# Allegro board SG2042_EVB_V1_1.brd (continued)
## Routing (per net, layer and track width the routed paths; a pad name or vN(x,y) marks a point on that pad's centre or on a via; arc(x,y) is an arc through that point) (continued)
  TOP w0.381: U1.AK48 v1(157.97,104.15) ; U1.T43 v1(152.97,119.15) ; U1.AG13 v1(121.97,108.15) ; U1.AH45 v1(154.97,107.15) ; v1(245.24,113.9) J2019.B80 v1(242.53,113.9) ; U1.BE13 v1(121.97,89.15) ; U1.L42 v1(151.97,124.15) ; v1(285.88,46.9) J2018.B13 v1(283.17,46.9) ; U1.AG8 v1(116.97,108.15) U1.AF8 ; U1.V10 v1(118.97,117.15) ; C3264.2 v1(169.75,14.68) ; U1.G50 v1(159.97,128.15) U1.G51 ; U1.BA42 v1(151.97,93.15) ; U1.BN8 v1(116.97,81.15) ; C3310.2 v1(290.22,43.26) ; U1.AL42 U1.AM43 v1(152.97,102.15) ; U1.K43 v1(152.97,125.15) ; v1(235.33,80.33) 235.76,79.9 J2019.A46 237.84,79.9 v1(238.04,80.1) ; v1(278.68,88.9) J2018.A55 v1(275.97,88.9) ; C558.2 C548.2 26.87,198.09 v1(26.72,197.94) ; v1(238.04,62.1) 237.84,61.9 J2019.A28 235.76,61.9 v1(235.33,62.33) ; U1.L15 v1(123.97,124.15) ; U1.D12 v1(121.97,131.15) U1.C12 ; U1.G19 v1(127.97,128.15) ; U1.P3 v1(112.97,120.15) ; v1(109.97,90.15) U1.BD1 v1(110.97,91.15) ; C3308.1 v1(29.77,112.42) ; U1.BR4 v1(112.97,79.15) ; C1191.2 v1(74.9,217.25) ; v1(164.97,91.15) U1.BD56 v1(165.97,90.15) ; U1.B1 v1(110.04,132.65) ; v1(112.97,127.15) U1.H3 v1(111.97,127.15) U1.G2 ; U1.BB43 v1(152.97,92.15) ; U1.BM4 v1(112.97,82.15) ; v1(283.17,90.9) J2018.B57 v1(285.88,90.9) ; U1.J9 v1(117.97,126.15) ; U1.V12 v1(120.97,117.15) ; U1.BT7 v1(115.97,78.15) ; v1(278.68,67.9) J2018.A34 276.4,67.9 v1(275.97,68.33) ; v1(157.97,128.15) U1.G48 v1(156.97,128.15) ; v1(28.83,68.47) 28.4,68.9 J1104.A46 26.32,68.9 v1(26.12,68.7) ; U1.G15 v1(123.97,128.15) U1.G14 ; U1.Y47 v1(156.97,115.15) ; U1.AC46 v1(155.97,112.15) ; v1(26.12,59.7) 26.32,59.9 J1104.A55 28.4,59.9 v1(28.83,59.47) ; U1.BT2 v1(110.97,78.15) ; v1(18.92,65.9) J1104.B49 v1(21.63,65.9) ; C557.2 v1(22.61,201.78) ; v1(245.24,74.1) 245.04,73.9 J2019.B40 242.73,73.9 v1(242.53,74.1) ; U1.AU11 v1(119.97,97.15) ; v1(21.63,45.7) 21.43,45.9 J1104.B69 19.12,45.9 v1(18.92,45.7) ; C68.2 v1(72.97,117.63) ; K2.1 v1(10.61,227.04) ; U1.L11 v1(119.97,124.15) ; U1.A15 v1(124.47,134.07) ; U1.M53 v1(161.97,122.15) ; v1(18.92,74.7) 19.12,74.9 J1104.B40 21.43,74.9 v1(21.63,74.7) ; v1(275.97,115.9) J2018.A82 v1(278.68,115.9) ; U1.AC49 v1(158.97,111.15) ; C33.2 v1(202.97,88.06) ; C3274.1 v1(225.91,144.65) ; U45.1 v1(123,39.21) ; U1.BC15 v1(123.97,91.15) ; U1.AN7 v1(115.97,101.15) ; U1.AN13 v1(121.97,101.15) ; C1744.2 v1(16.08,108.89) ; C21.2 v1(201.75,43.89) ; U1.BF45 v1(154.97,88.15) ; U1.A56 v1(165.9,133.65) ; U1.AN5 v1(113.97,101.15) ; U1.AR51 v1(160.97,99.15) ; U1.Y43 v1(152.97,115.15) ; U1.AF1 v1(109.97,108.15) ; U1.C36 v1(144.97,132.15) ; U1.AC54 v1(162.97,111.15) U1.AC53 ; v1(235.33,87.9) J2019.A54 v1(238.04,87.9) ; v1(18.92,41.7) 19.12,41.9 J1104.B73 21.43,41.9 v1(21.63,41.7) ; K1.3 v1(10.61,199.45) ; U1.H12 v1(121.97,127.15) ; U1.AV49 v1(158.97,96.15) ; v1(146.56,44.83) U26.2 ; U1.N42 v1(151.97,122.15) ; C30.2 v1(202.97,108) ; v1(285.88,105.9) J2018.B72 v1(283.17,105.9) ; U1.BK11 v1(119.97,84.15) ; C7.2 v1(211.15,118.57) ; v1(63.35,166.87) 63.35,167.36 C59.2 62.48,167.36 v1(62.48,166.87) ; U1.AP50 v1(159.97,100.15) ; v1(235.33,100.9) J2019.A67 v1(238.04,100.9) ; U1.Y48 v1(157.97,115.15) ; U1.BJ46 v1(155.97,85.15) ; C3294.2 v1(275.64,42.8) ; U1.AJ8 v1(116.97,105.15) ; U1.V3 v1(112.97,116.15) U1.V4 ; v1(283.17,93.9) J2018.B60 v1(285.88,93.9) ; v1(152.97,104.15) U1.AK43 U1.AJ42 ; v1(245.24,38.9) J2019.B7 v1(242.53,38.9) ; v1(285.88,62.9) J2018.B29 v1(283.17,62.9) ; v1(26.12,112.9) J1104.A4 v1(28.83,112.9) ; R2488.2 v1(236.14,191.24) ; U1.BK48 v1(157.97,84.15) ; U1.R52 v1(161.97,120.15) ; U1.U55 v1(163.97,118.15) U1.T54 v1(162.97,118.15) ; U1.BE54 v1(163.97,89.15) ; C29.2 v1(202.97,110.64) ; U1.BC42 v1(151.97,91.15) ; U1.BF49 v1(158.97,88.15) ; v1(21.63,109.9) J1104.B7 v1(18.92,109.9) ; v1(26.12,86.7) 26.32,86.9 J1104.A28 28.4,86.9 v1(28.83,86.47) ; v1(21.63,61.7) 21.43,61.9 J1104.B53 19.12,61.9 v1(18.92,61.7) ; U1.M50 v1(159.97,123.15) ; v1(21.63,92.7) 21.43,92.9 J1104.B22 19.12,92.9 v1(18.92,92.7) ; U1.AR11 v1(119.97,99.15) ; v1(235.33,108.9) J2019.A75 v1(238.04,108.9) ; U1.Y51 v1(159.97,114.15) ; v1(155.97,127.15) U1.H47 v1(156.97,127.15) ; v1(235.33,74.47) 235.76,74.9 J2019.A41 237.84,74.9 v1(238.04,74.7) ; U1.A14 v1(123.47,134.07) ; U1.W44 v1(153.97,116.15) ; U1.AW53 v1(162.97,95.15) ; U1.AT10 v1(118.97,98.15) ; U1.AU44 v1(153.97,97.15) ; v1(238.04,35.9) J2019.A4 v1(235.33,35.9) ; U1.BH7 v1(115.97,86.15) ; v1(242.53,80.9) J2019.B47 v1(245.24,80.9) ; v1(238.04,96.9) J2019.A63 v1(235.33,96.9) ; U1.C15 v1(123.97,132.15) U1.B15 ; v1(18.92,76.1) 19.12,75.9 J1104.B39 21.43,75.9 v1(21.63,76.1) ; v1(26.12,49.1) 26.32,48.9 J1104.A66 28.4,48.9 v1(28.83,49.33) ; C1442.1 v1(222.07,48.46) ; U1.AJ49 v1(158.97,105.15) ; v1(26.12,92.1) 26.32,91.9 J1104.A23 28.4,91.9 v1(28.83,92.33) ; U1.F10 v1(119.97,129.15) ; U1.BB54 v1(163.97,93.15) U1.BA54 ; U1.BL9 v1(117.97,83.15) ; U1.BG1 v1(109.97,87.15) ; U1.AY45 v1(154.97,94.15) ; U1.J48 v1(157.97,126.15) ; v1(14.3,108.28) C3303.2 C3302.2 v1(14.3,110.36) ; C9.2 v1(211.15,110.64) ; 23.42,198.93 R58.1 C560.2 v1(24.03,197.74) ; 23.42,198.93 C561.2 v1(24.28,198.32) ; 23.42,198.93 C559.2 ; U1.G12 v1(121.97,128.15) ; U1.AD50 v1(159.97,110.15) ; U1.BE51 v1(160.97,89.15) ; U1.AJ3 v1(111.97,105.15) ; U1.BC11 v1(119.97,91.15) ; U1.Y9 v1(117.97,115.15) ; 131.99,46.08 v1(131.6,46.08) ; 131.99,46.08 U4.1 131.99,47.62 ; 131.99,46.08 C3327.1 ; U1.AG9 v1(117.97,108.15) ; U1.J28 v1(136.97,126.15) ; v1(283.17,68.7) 283.37,68.9 J2018.B35 285.68,68.9 v1(285.88,68.7) ; U1.AE51 v1(160.97,109.15) ; R2179.2 v1(260.96,153.26) ; U1.G16 v1(124.97,128.15) U1.F15 ; U1.P10 v1(118.97,121.15) ; U1.BN3 v1(111.97,81.15) ; U1.G37 v1(146.97,128.15) ; v1(26.12,43.7) 26.32,43.9 J1104.A71 28.4,43.9 v1(28.83,43.47) ; U1.H5 v1(114.97,127.15) ; U1.AA50 v1(159.97,113.15) ; U1.AD7 v1(115.97,110.15) ; C31.2 v1(202.97,95.07) ; U1.AH3 v1(111.97,106.15) ; v1(275.97,76.33) 276.4,75.9 J2018.A42 278.48,75.9 v1(278.68,76.1) ; U1.K14 v1(122.97,125.15) ; U1.AC3 v1(112.97,111.15) U1.AC4 ; C536.1 v1(47.24,221.11) ; v1(21.63,78.7) 21.43,78.9 J1104.B36 19.12,78.9 v1(18.92,78.7) ; U1.R42 v1(151.97,120.15) ; U1.K10 v1(118.97,125.15) ; v1(211,101.88) C17.2 ; U1.BP46 v1(155.97,80.15) ; U1.E26 v1(134.97,130.15) ; v1(235.33,68.33) 235.76,67.9 J2019.A34 v1(238.04,67.9) ; C1737.2 v1(250.44,43.26) ; v1(238.04,76.1) 237.84,75.9 J2019.A42 235.76,75.9 v1(235.33,76.33) ; R10.2 v1(64.8,86.13) ; U1.C21 v1(129.97,132.15) ; 159.51,31.62 U30.2 159.51,33.25 C3333.1 v1(160.15,33.27) 160.16,33.26 U30.1 160.16,31.33 ; U1.AW3 v1(111.97,95.15) ; v1(26.12,70.1) 26.32,69.9 J1104.A45 28.4,69.9 v1(28.83,70.33) ; C551.2 v1(25.48,196.09) ; U1.AR9 v1(117.97,99.15) ; C2.2 v1(211.15,41.94) ; U1.BM8 v1(116.97,82.15) ; U1.BB47 v1(156.97,92.15) ; v1(235.33,112.9) J2019.A79 v1(238.04,112.9) ; U1.AF10 v1(118.97,109.15) ; U1.G6 v1(115.97,128.15) U1.G7 ; C53.2 v1(64.8,87.91) ; U1.M56 v1(165.9,122.65) ; v1(28.83,57.33) 28.4,56.9 J1104.A58 26.32,56.9 v1(26.12,57.1) ; U1.AG1 v1(109.97,107.15) 109.31,107.15 ; U1.AU46 v1(155.97,97.15) ; U1.BA13 v1(121.97,93.15) ; U1.AA15 v1(124.97,114.15) U1.AA16 ; U1.L9 v1(117.97,124.15) ; C1555.1 v1(51.49,46.18) 51.47,46.19 U59.1 51.47,47.78 ; v1(21.63,72.1) 21.43,71.9 J1104.B43 19.12,71.9 v1(18.92,72.1) ; U1.BC46 v1(155.97,91.15) ; v1(112.97,130.15) U1.E3 v1(111.97,130.15) U1.D2 ; U1.BR46 v1(155.97,79.15) ; U1.AM4 v1(112.97,102.15) ; U1.AD41 v1(150.97,110.15) U1.AE42 U1.AF41 ; C69.2 v1(72.97,112.55) ; v1(118.97,128.15) U1.G9 v1(117.97,128.15) ; C67.2 v1(72.97,120.98) ; C3295.2 v1(288.21,39.9) ; 52.97,105.58 U57.1 52.97,106.89 ; U1.C8 v1(116.97,132.15) ; v1(285.88,106.9) J2018.B73 v1(283.17,106.9) ; v1(26.12,102.9) J1104.A12 v1(28.83,102.9) ; v1(18.92,70.7) 19.12,70.9 J1104.B44 21.43,70.9 v1(21.63,70.7) ; U1.BE9 v1(117.97,89.15) ; U1.BB10 v1(118.97,92.15) ; v1(235.33,82.47) 235.76,82.9 J2019.A49 v1(238.04,82.9) ; U1.B3 v1(111.97,132.15) ; C1576.1 v1(52.3,101.55) ; v1(242.53,76.7) 242.73,76.9 J2019.B43 245.04,76.9 v1(245.24,76.7) ; v1(242.53,54.7) 242.73,54.9 J2019.B21 245.04,54.9 v1(245.24,54.7) ; v1(28.83,66.33) 28.4,65.9 J1104.A49 v1(26.12,65.9) ; v1(242.53,106.9) J2019.B73 v1(245.24,106.9) ; 221.78,100.84 U62.1 221.78,99.66 ; U1.AV14 v1(122.97,96.15) ; v1(275.97,95.9) J2018.A62 v1(278.68,95.9) ; U1.BG50 v1(159.97,87.15) ; U1.BJ48 v1(157.97,85.15) ; U1.BJ6 v1(114.97,85.15) ; v1(278.68,60.7) 278.48,60.9 J2018.A27 276.4,60.9 v1(275.97,60.47) ; v1(285.88,102.9) J2018.B69 v1(283.17,102.9) ; U1.D15 v1(123.97,131.15) U1.D14 ; U1.AH5 v1(113.97,106.15) ; U1.AY8 v1(116.97,94.15) ; U1.AM12 v1(120.97,102.15) ; v1(285.88,101.9) J2018.B68 v1(283.17,101.9) ; U1.C27 v1(135.97,132.15) ; U1.BC44 v1(153.97,91.15) ; U1.AW13 v1(121.97,95.15) ; Q2010.2 v1(254.54,234.36) ; U1.Y45 v1(154.97,115.15) ; U1.G43 v1(151.97,128.15) ; v1(151.97,128.15) U1.G42 ; v1(151.97,128.15) U1.F42 ; v1(283.17,109.9) J2018.B76 v1(285.88,109.9) ; C552.2 v1(26.34,196.09) ; U1.AW48 v1(157.97,95.15) ; U1.BH50 v1(159.97,86.15) ; U1.AN54 v1(163.97,101.15) ; v1(245.24,109.9) J2019.B76 v1(242.53,109.9) ; U1.Y1 v1(110.04,114.65) ; C1537.2 v1(57.23,109.19) ; U1.AE44 v1(153.97,110.15) ; v1(162.97,130.15) U1.E54 v1(163.97,130.15) U1.D55 ; K1.1 v1(10.61,211.22) ; U1.BH54 v1(163.97,86.15) ; U1.AB2 v1(111.97,113.15) U1.AA3 v1(112.97,113.15) ; U1.K55 v1(163.97,125.15) ; U1.AP49 v1(158.97,100.15) ; U1.W54 v1(163.97,116.15) ; U1.BK3 v1(111.97,84.15) ; U1.H42 v1(151.97,126.15) U1.J42 ; v1(278.68,74.7) 278.48,74.9 J2018.A41 276.4,74.9 v1(275.97,74.47) ; U1.R49 v1(158.97,120.15) ; U1.C45 v1(153.97,131.15) U1.D45 ; U1.AE56 v1(165.9,109.65) ; U1.C18 v1(126.97,132.15) ; U1.BB3 v1(111.97,93.15) U1.BA3 ; U1.C30 v1(138.97,132.15) ; v1(283.17,89.9) J2018.B56 v1(285.88,89.9) ; U1.L13 v1(121.97,124.15) ; v1(278.68,100.9) J2018.A67 v1(275.97,100.9) ; v1(283.17,78.1) 283.37,77.9 J2018.B44 285.68,77.9 v1(285.88,78.1) ; U1.AY2 v1(110.97,94.15) ; v1(238.04,56.7) 237.84,56.9 J2019.A23 235.76,56.9 v1(235.33,56.47) ; U1.B56 v1(165.9,132.65) ; U1.AH12 v1(120.97,107.15) ; U1.BT6 v1(114.97,78.15) ; C1527.2 v1(51.84,95.4) ; U1.BM49 v1(158.97,82.15) ; U1.BN49 v1(158.97,81.15) ; v1(238.04,103.9) J2019.A70 v1(235.33,103.9) ; v1(242.53,105.9) J2019.B72 v1(245.24,105.9) ; C582.1 v1(146.02,158.62) ; U1.C3 v1(112.97,132.15) U1.C4 ; U1.AV54 v1(163.97,96.15) ; v1(235.33,72.33) 235.76,71.9 J2019.A38 237.84,71.9 v1(238.04,72.1) ; v1(278.68,84.9) J2018.A51 v1(275.97,84.9) ; U1.AF4 v1(112.97,108.15) ; X2.2 v1(118.46,152.79) ; U1.BN11 v1(119.97,81.15) ; C1398.2 v1(121.77,35.36) ; U1.BA15 v1(123.97,93.15) ; C52.2 v1(64.8,92.15) ; U1.AT50 v1(159.97,98.15) ; U1.F52 v1(161.97,129.15) U1.F53 ; U1.BL47 v1(156.97,83.15) ; U1.AM10 v1(118.97,102.15) ; U1.BK50 v1(159.97,84.15) ; v1(28.83,94.47) 28.4,94.9 J1104.A20 v1(26.12,94.9) ; U1.F56 v1(165.9,128.65) ; U50.2 v1(220.27,49.24) ; U1.W3 v1(111.97,116.15) ; v1(211,105.99) C16.2 ; U1.BF8 v1(116.97,88.15) ; U1.BT1 v1(109.97,78.15) ; U1.AW42 v1(151.97,95.15) ; v1(21.63,82.9) J1104.B32 v1(18.92,82.9) ; U1.BL52 v1(161.97,83.15) ; U1.Y6 v1(115.97,114.15) ; U1.BJ10 v1(118.97,85.15) ; U1.AM9 v1(117.97,102.15) ; U1.AL15 U1.AM14 v1(122.97,102.15) ; U1.AB55 v1(163.97,113.15) U1.AA54 v1(162.97,113.15) ; v1(63.35,176.8) 63.35,176.3 C79.2 62.48,176.3 v1(62.48,176.8) ; U1.AT3 v1(111.97,98.15) ; U1.AD45 v1(154.97,111.15) ; v1(119.97,131.15) U1.C10 v1(119.97,132.15) U1.B11 ; v1(245.24,70.1) 245.04,69.9 J2019.B36 242.73,69.9 v1(242.53,70.1) ; v1(278.68,72.1) 278.48,71.9 J2018.A38 276.4,71.9 v1(275.97,72.33) ; v1(28.83,53.33) 28.4,52.9 J1104.A62 26.32,52.9 v1(26.12,53.1) ; U1.A43 v1(152.47,134.07) ; C8.2 v1(211.18,113.28) ; v1(285.88,72.7) 285.68,72.9 J2018.B39 283.37,72.9 v1(283.17,72.7) ; U1.E20 v1(128.97,130.15) ; v1(242.53,68.7) 242.73,68.9 J2019.B35 245.04,68.9 v1(245.24,68.7) ; U1.G34 v1(143.97,128.15) ; v1(238.04,111.9) J2019.A78 v1(235.33,111.9) ; U1.C42 v1(151.97,132.15) U1.B42 ; v1(162.97,127.15) U1.H54 v1(163.97,127.15) U1.G55 ; v1(278.68,111.9) J2018.A78 v1(275.97,111.9) ; v1(242.53,65.9) J2019.B32 v1(245.24,65.9) ; v1(285.88,60.1) 285.68,59.9 J2018.B26 283.37,59.9 v1(283.17,60.1) ; U1.AJ13 v1(121.97,105.15) ; v1(28.83,97.33) 28.4,96.9 J1104.A18 v1(26.12,96.9) ; C44.2 v1(74.19,43.89) ; U1.BG7 v1(115.97,87.15) ; C11.2 v1(211.15,95.07) ; U1.AT12 v1(120.97,98.15) ; C1397.2 v1(129.49,36.58) ; v1(235.33,95.9) J2019.A62 v1(238.04,95.9) ; U1.AB45 v1(154.97,113.15) ; U1.AW9 v1(117.97,95.15) ; C576.1 v1(173.53,164.36) ; v1(28.83,35.47) 28.4,35.9 J1104.A79 26.32,35.9 v1(26.12,35.7) ; U1.AC48 v1(157.97,112.15) ; v1(275.97,56.47) 276.4,56.9 J2018.A23 278.48,56.9 v1(278.68,56.7) ; U1.BM46 v1(155.97,82.15) ; X4.2 v1(148.25,153.82) ; C531.1 v1(49.05,223.62) ; C531.1 C532.1 ; C531.1 48.44,222.99 ; C3.2 v1(211.15,39.98) ; U1.AW4 v1(112.97,95.15) ; v1(242.53,58.7) 242.73,58.9 J2019.B25 245.04,58.9 v1(245.24,58.7) ; U1.AH54 v1(163.97,106.15) ; U1.N44 v1(153.97,122.15) ; U1.AG15 U1.AH16 126.36,105.76 v1(126.36,105.69) ; U1.AA7 v1(115.97,113.15) ; U1.K52 v1(161.97,125.15) ; U1.A42 v1(151.47,134.07) ; U1.AM6 v1(114.97,102.15) ; U1.H7 v1(115.97,126.15) U1.J7 ; C3315.1 v1(286.82,36.4) ; U1.BL1 v1(109.97,83.15) ; v1(285.88,98.9) J2018.B65 v1(283.17,98.9) ; U1.C39 v1(147.97,132.15) ; v1(285.88,65.9) J2018.B32 v1(283.17,65.9) ; U1.AB43 v1(152.97,113.15) ; C532.1 v1(49.05,224.49) ; C532.1 C533.1 ; U1.AR48 v1(157.97,99.15) ; U1.AR42 v1(151.97,99.15) ; U1.AN44 v1(153.97,101.15) ; v1(21.63,51.1) 21.43,50.9 J1104.B64 19.12,50.9 v1(18.92,51.1) ; U1.AL3 v1(111.97,103.15) ; v1(235.33,115.9) J2019.A82 v1(238.04,115.9) ; U1.BN51 v1(160.97,81.15) ; U1.N46 v1(155.97,122.15) ; U1.V43 v1(152.97,117.15) ; v1(278.68,70.7) 278.48,70.9 J2018.A37 276.4,70.9 v1(275.97,70.47) ; v1(242.53,90.9) J2019.B57 v1(245.24,90.9) ; v1(18.92,39.1) 19.12,38.9 J1104.B76 21.43,38.9 v1(21.63,39.1) ; v1(238.04,45.9) J2019.A12 235.23,45.9 v1(235,46.12) ; v1(74.19,40.92) C42.2 ; C42.2 v1(72.97,40.92) ; C42.2 C43.2 ; U1.V47 v1(156.97,117.15) ; v1(21.63,94.1) 21.43,93.9 J1104.B21 19.12,93.9 v1(18.92,94.1) ; U1.E29 v1(137.97,130.15) ; v1(278.68,104.9) J2018.A71 v1(275.97,104.9) ; C24.2 v1(201.75,38.02) ; U1.H50 v1(159.97,126.15) U1.J50 ; U1.AD3 v1(111.97,111.15) ; U1.W50 v1(159.97,115.15) ; C3265.2 v1(174.02,14.68) ; U1.AP4 v1(112.97,100.15) ; U59.2 52.12,47.78 ; U1.AU5 v1(113.97,97.15) ; v1(235.33,99.9) J2019.A66 v1(238.04,99.9) ; U1.J24 v1(132.97,126.15) ; U1.AF5 v1(113.97,108.15) ; v1(28.83,74.33) 28.4,73.9 J1104.A41 26.32,73.9 v1(26.12,74.1) ; U1.AN11 v1(119.97,101.15) ; C62.2 v1(64.95,39.98) ; v1(283.17,85.9) J2018.B52 v1(285.88,85.9) ; v1(238.04,51.9) J2019.A18 235.76,51.9 v1(235.33,51.47) ; U1.N11 v1(119.97,122.15) ; v1(275.97,99.9) J2018.A66 v1(278.68,99.9) ; U1.V45 v1(154.97,117.15) ; C72.2 v1(72.97,92.15) ; U1.Y56 v1(165.9,114.65) ; U1.P51 v1(159.97,121.15) ; U1.BG46 v1(155.97,87.15) ; U1.AT54 v1(163.97,98.15) ; U1.BK53 v1(162.97,84.15) ; v1(275.97,103.9) J2018.A70 v1(278.68,103.9) ; U1.BD12 v1(120.97,90.15) ; 114.25,219.56 U2005.2 115.85,219.56 C3334.1 v1(115.87,218.92) 115.86,218.91 U2005.1 114.25,218.91 ; v1(238.04,88.9) J2019.A55 v1(235.33,88.9) ; v1(21.63,85.9) J1104.B29 v1(18.92,85.9) ; v1(283.17,94.9) J2018.B61 v1(285.88,94.9) ; U1.AF47 v1(156.97,109.15) ; X1.2 v1(177.48,162.42) ; U1.AF52 v1(161.97,108.15) ; U1.V54 v1(162.97,116.15) U1.V53 ; U1.BL46 v1(155.97,83.15) ; U1.AU13 v1(121.97,97.15) ; U1.AW11 v1(119.97,95.15) ; U1.M7 v1(115.97,123.15) ; v1(278.68,96.9) J2018.A63 v1(275.97,96.9) ; C63.2 v1(64.95,41.94) ; U1.B46 v1(155.97,132.15) U1.C47 v1(155.97,131.15) ; U1.AF50 v1(159.97,108.15) ; U1.G25 v1(133.97,128.15) ; U1.AJ44 v1(153.97,105.15) ; U1.U44 v1(153.97,118.15) ; v1(285.88,51.9) J2018.B18 v1(283.17,51.9) ; v1(278.68,80.1) 278.48,79.9 J2018.A46 276.4,79.9 v1(275.97,80.33) ; v1(18.92,112.9) J1104.B4 v1(21.63,112.9) ; U1.BM10 v1(118.97,82.15) ; U1.BB56 v1(165.97,92.15) ; C3119.1 v1(246.18,36.4) ; U1.K8 v1(116.97,125.15) ; U1.T10 v1(118.97,119.15) ; v1(114.97,131.15) U1.C5 v1(114.97,132.15) U1.B6 ; C64.2 v1(64.95,43.89) ; C565.2 v1(28.37,194.56) ; C13.2 v1(211.15,88.06) ; v1(278.68,87.9) J2018.A54 v1(275.97,87.9) ; U1.BA50 v1(159.97,93.15) ; U1.AA9 v1(117.97,114.15) U1.Y8 ; U1.AM45 v1(154.97,102.15) ; U1.AU15 v1(123.97,97.15) ; v1(26.12,90.7) 26.32,90.9 J1104.A24 28.4,90.9 v1(28.83,90.47) ; U1.BM6 v1(114.97,82.15) ; v1(245.24,97.9) J2019.B64 v1(242.53,97.9) ; U1.AU4 v1(112.97,97.15) ; U1.E51 v1(160.97,130.15) ; v1(238.04,64.9) J2019.A31 235.76,64.9 v1(235.33,64.47) ; v1(21.63,80.1) 21.43,79.9 J1104.B35 19.12,79.9 v1(18.92,80.1) ; v1(245.24,93.9) J2019.B60 v1(242.53,93.9) ; v1(28.83,63.47) 28.4,63.9 J1104.A51 v1(26.12,63.9) ; U1.AH50 v1(159.97,106.15) ; U1.AK47 v1(156.97,104.15) ; U1.BN54 v1(163.97,81.15) ; U1.BT11 v1(119.97,78.15) ; v1(242.53,86.9) J2019.B53 v1(245.24,86.9) ; C1196.2 v1(61.54,221.56) ; C20.2 v1(211.61,167.82) ; v1(21.63,53.7) 21.43,53.9 J1104.B61 19.12,53.9 v1(18.92,53.7) ; U1.AP14 v1(122.97,100.15) ; v1(203.12,105.99) C36.2 ; v1(238.04,78.7) 237.84,78.9 J2019.A45 235.76,78.9 v1(235.33,78.47) ; U1.AL50 v1(159.97,103.15) ; U1.AD1 v1(110.04,110.65) ; U1.AC7 v1(115.97,111.15) ; U1.AE16 v1(124.97,110.15) U1.AE15 ; U1.J20 v1(128.97,126.15) ; v1(278.68,53.9) J2018.A20 276.4,53.9 v1(275.97,54.33) ; U1.BA44 v1(153.97,93.15) ; U1.N9 v1(117.97,122.15) ; v1(242.53,72.7) 242.73,72.9 J2019.B39 245.04,72.9 v1(245.24,72.7) ; U1.A49 v1(158.47,134.07) ; U1.BC52 v1(161.97,91.15) ; v1(238.04,104.9) J2019.A71 v1(235.33,104.9) ; U1.BH47 v1(156.97,86.15) ; C1426.2 v1(224.56,106.93) ; U1.AL9 v1(117.97,103.15) ; v1(26.12,55.7) 26.32,55.9 J1104.A59 28.4,55.9 v1(28.83,55.47) ; U1.AR15 v1(123.97,99.15) ; U1.BB12 v1(120.97,92.15) ; v1(156.97,130.15) U1.D48 v1(157.97,130.15) ; C3152.2 v1(219.79,115.77) ; v1(235.33,70.47) 235.76,70.9 J2019.A37 237.84,70.9 v1(238.04,70.7) ; v1(238.04,107.9) J2019.A74 v1(235.33,107.9) ; C1561.2 v1(139.04,30.61) ; U1.H45 v1(153.97,127.15) ; U1.AB9 v1(117.97,113.15) ; U1.F5 v1(113.97,129.15) U1.F4 ; U1.BK7 v1(115.97,84.15) ; U1.A48 v1(157.47,134.07) ; C583.1 v1(146.02,157.76) ; U1.AY52 v1(161.97,94.15) ; U1.AD5 v1(113.97,110.15) ; U1.AL46 v1(155.97,103.15) ; U1.J32 v1(141.97,126.15) ; U1.W46 v1(155.97,116.15) ; U1.BH3 v1(111.97,86.15) ; U1.AF43 v1(152.97,109.15) ; 49.57,228.09 J8.6 v1(49.57,230.46) ; U1.BJ9 v1(117.97,85.15) ; v1(285.88,113.9) J2018.B80 v1(283.17,113.9) ; U1.AF14 v1(122.97,109.15) ; v1(21.63,98.9) J1104.B16 v1(18.92,98.9) ; U1.AP54 v1(163.97,100.15) ; U1.BK8 v1(116.97,84.15) ; v1(235.33,54.33) 235.76,53.9 J2019.A20 v1(238.04,53.9) ; U1.N13 v1(121.97,122.15) ; v1(238.04,84.9) J2019.A51 v1(235.33,84.9) ; U1.B32 v1(141.82,132.15) ; U1.BT50 v1(159.97,78.15) ; U1.BP47 v1(156.97,80.15) ; v1(245.24,56.1) 245.04,55.9 J2019.B22 242.73,55.9 v1(242.53,56.1) ; U1.W56 v1(165.9,115.65) ; U1.AR6 v1(114.97,99.15) ; U1.R44 v1(153.97,120.15) ; U1.AU52 v1(161.97,97.15) ; U1.BE6 v1(114.97,89.15) ; U1.G31 v1(140.97,128.15) ; U1.AN48 v1(157.97,101.15) ; U1.AE53 v1(162.97,109.15) ; v1(275.97,58.33) 276.4,57.9 J2018.A24 278.48,57.9 v1(278.68,58.1) ; U1.BK9 v1(117.97,84.15) ; v1(28.83,76.47) 28.4,76.9 J1104.A38 26.32,76.9 v1(26.12,76.7) ; U1.AK45 v1(154.97,104.15) ; U1.AK2 v1(110.97,104.15) ; v1(28.83,33.33) 28.4,32.9 J1104.A82 v1(26.12,32.9) ; U1.AG6 v1(115.97,107.15) ; v1(275.97,107.9) J2018.A74 v1(278.68,107.9) ; R70.1 v1(24.03,196.88) ; U1.BG53 v1(162.97,87.15) ; U1.W52 v1(161.97,115.15) ; C3174.2 v1(21.69,192.56) ; v1(242.53,94.9) J2019.B61 v1(245.24,94.9) ; U1.AE4 v1(112.97,109.15) ; C3149.2 v1(51.49,119.18) ; U1.AM47 v1(156.97,102.15) ; C1431.2 v1(215.19,66.47) ; U1.AV47 v1(156.97,96.15) ; v1(21.63,88.7) 21.43,88.9 J1104.B26 19.12,88.9 v1(18.92,88.7) ; U1.AG53 v1(162.97,107.15) ; v1(285.88,49.9) J2018.B16 v1(283.17,49.9) ; U1.AB14 v1(122.97,113.15) ; U1.T45 v1(154.97,119.15) ; C4.2 v1(211.15,38.02) ; U1.AE11 v1(119.97,110.15) ; U1.W42 v1(151.97,116.15) ; v1(283.17,97.9) J2018.B64 v1(285.88,97.9) ; v1(235.33,60.47) 235.76,60.9 J2019.A27 237.84,60.9 v1(238.04,60.7) ; v1(28.83,78.33) 28.4,77.9 J1104.A37 26.32,77.9 v1(26.12,78.1) ; v1(242.53,62.9) J2019.B29 v1(245.24,62.9) ; C1424.2 v1(224.56,108.66) ; U1.BB8 v1(116.97,92.15) ; U1.BL54 v1(163.97,83.15) ; U1.R11 v1(119.97,120.15) ; U1.AG51 v1(159.97,107.15) ; U1.P12 v1(120.97,121.15) ; U1.K12 v1(120.97,125.15) ; U1.A8 v1(117.47,134.07) ; 225.96,108.09 U48.2 225.96,109.7 C1427.1 v1(226.59,109.73) 226.61,109.71 U48.1 226.61,108.09 ; U1.AJ46 v1(155.97,105.15) ; U1.BF47 v1(156.97,88.15) ; U1.BT56 v1(165.97,78.15) ; v1(245.24,78.1) 245.04,77.9 J2019.B44 242.73,77.9 v1(242.53,78.1) ; R2182.2 v1(220.85,191.24) ; C23.2 v1(202.97,40.92) ; C23.2 C22.2 ; C23.2 v1(201.75,40.92) ; v1(121.34,39.24) C1416.1 121.41,38.56 U45.2 ; v1(245.24,49.9) J2019.B16 v1(242.53,49.9) ; U1.AM56 v1(165.97,102.15) ; v1(149.59,106.6) 150.43,106.6 U1.AH41 U1.AG42 ; U1.AJ50 v1(159.97,105.15) ; U1.BP2 v1(110.97,80.15) ; C3154.2 v1(220.9,106.98) ; v1(285.88,58.7) 285.68,58.9 J2018.B25 283.37,58.9 v1(283.17,58.7) ; X3.2 v1(144.08,153.82) ; U1.L46 v1(155.97,124.15) ; U1.AY47 v1(156.97,94.15) ; v1(275.97,92.9) J2018.A59 v1(278.68,92.9) ; v1(18.92,90.1) 19.12,89.9 J1104.B25 21.43,89.9 v1(21.63,90.1) ; U1.A1 v1(110.04,133.65) ; v1(28.83,99.47) 28.4,99.9 J1104.A15 v1(26.12,99.9) ; U1.AD10 v1(118.97,111.15) ; U1.BC5 v1(113.97,91.15) ; C1526.2 v1(59.56,95.4) ; v1(278.68,108.9) J2018.A75 v1(275.97,108.9) ; U1.BN6 v1(114.97,81.15) ; U1.AB48 v1(157.97,113.15) ; R2480.2 v1(230.3,191.24) ; U64.2 54.54,101.4 ; U1.AE13 v1(121.97,110.15) ; U1.BP55 v1(164.97,80.15) ; U1.T12 v1(120.97,119.15) ; U1.AL54 v1(163.97,103.15) ; U1.G40 v1(149.97,128.15) ; U1.AD12 v1(120.97,111.15) ; U1.AR46 v1(155.97,99.15) ; U1.AJ48 v1(157.97,105.15) ; U1.BB45 v1(154.97,92.15) ; v1(278.68,45.9) J2018.A12 275.87,45.9 v1(275.64,46.12) ; U1.BP50 v1(159.97,80.15) ; U1.J15 v1(123.97,126.15) U1.H15 ; v1(21.63,96.9) J1104.B18 v1(18.92,96.9) ; C56.2 v1(64.95,105.99) ; U1.AE8 v1(116.97,109.15) ; U1.Y12 v1(120.97,115.15) ; v1(18.92,43.1) 19.12,42.9 J1104.B72 21.43,42.9 v1(21.63,43.1) ; U1.AD48 v1(157.97,111.15) ; U1.AL7 v1(115.97,103.15) ; U1.BJ2 v1(110.97,85.15) ; U1.V50 v1(159.97,116.15) ; U1.AG48 v1(157.97,108.15) ; v1(21.63,59.1) 21.43,58.9 J1104.B56 19.12,58.9 v1(18.92,59.1) ; v1(203.12,101.88) C37.2 ; U1.BD45 v1(154.97,90.15) ; U1.BJ47 v1(156.97,85.15) ; U1.BT46 v1(155.97,78.15) ; U1.M14 v1(122.97,123.15) ; U1.D50 v1(158.97,131.15) U1.C50 ; C73.2 v1(72.97,87.91) ; U1.F47 v1(155.97,129.15) ; U1.BM53 v1(162.97,82.15) ; U1.BK10 v1(118.97,84.15) ; v1(235.33,49.33) 235.76,48.9 J2019.A15 v1(238.04,48.9) ; U1.AJ4 v1(112.97,105.15) ; v1(242.53,46.9) J2019.B13 v1(245.24,46.9) ; U1.AJ9 v1(117.97,105.15) ; U1.AY14 v1(122.97,94.15) ; U1.AH9 v1(117.97,107.15) ; U1.AA11 v1(119.97,114.15) ; U1.AR44 v1(153.97,99.15) ; C3151.2 v1(52.45,118.03) ; U1.AD47 v1(156.97,111.15) ; v1(28.83,51.47) 28.4,51.9 J1104.A63 26.32,51.9 v1(26.12,51.7) ; U1.BD14 v1(122.97,90.15) ; U1.BP8 v1(116.97,80.15) ; v1(285.88,38.9) J2018.B7 v1(283.17,38.9) ; v1(18.92,49.7) 19.12,49.9 J1104.B65 21.43,49.9 v1(21.63,49.7) ; U1.AV45 v1(154.97,96.15) ; v1(21.63,47.1) 21.43,46.9 J1104.B68 19.12,46.9 v1(18.92,47.1) ; U1.AA44 v1(153.97,114.15) ; C3299.2 v1(247.57,39.9) ; U1.BL10 v1(118.97,83.15) ; v1(18.92,101.9) J1104.B13 v1(21.63,101.9) ; U1.BE11 v1(119.97,89.15) ; U1.BR48 v1(157.97,79.15) ; v1(278.68,51.9) J2018.A18 276.4,51.9 v1(275.97,51.47) ; C27.2 v1(202.97,118.57) ; U1.BG4 v1(112.97,87.15) ; v1(245.24,35.9) J2019.B4 v1(242.53,35.9) ; U1.BP10 v1(118.97,80.15) ; C1536.2 v1(57.23,110.06) ; U1.P47 v1(156.97,121.15) ; U1.AC42 v1(151.97,112.15) ; U1.AU53 v1(162.97,97.15) ; v1(26.12,39.7) 26.32,39.9 J1104.A75 28.4,39.9 v1(28.83,39.47) ; v1(245.24,101.9) J2019.B68 v1(242.53,101.9) ; U1.AC11 v1(119.97,112.15) ; U1.AL13 v1(121.97,103.15) ; U1.W48 v1(157.97,116.15) ; v1(28.83,45.33) 28.4,44.9 J1104.A70 26.32,44.9 v1(26.12,45.1) ; v1(278.68,35.9) J2018.A4 v1(275.97,35.9) ; U1.BR11 v1(119.97,79.15) ; U1.AD52 v1(161.97,110.15) ; U1.AR13 v1(121.97,99.15) ; U1.BB48 v1(157.97,92.15) ; U1.E11 v1(120.97,130.15) ; U1.K49 v1(158.97,125.15) ; v1(283.17,74.1) 283.37,73.9 J2018.B40 285.68,73.9 v1(285.88,74.1) ; C533.1 v1(49.05,225.35) ; C533.1 C534.1 C535.1 ; C60.2 v1(64.34,167.82) ; U1.AY43 v1(152.97,94.15) ; U1.J14 v1(122.97,126.15) ; U812.4 v1(259.32,147.52) ; U1.A53 v1(162.97,134.15) ; U1.W5 v1(113.97,115.15) ; v1(235.33,92.9) J2019.A59 v1(238.04,92.9) ; U1.J44 v1(153.97,126.15) ; U1.G11 v1(120.97,128.15) ; U1.R1 v1(110.04,119.65) ; U1.AN46 v1(155.97,101.15) ; U1.R8 v1(116.97,120.15) ; v1(275.97,78.47) 276.4,78.9 J2018.A45 278.48,78.9 v1(278.68,78.7) ; C3273.1 v1(225.91,126.85) ; U1.BL5 v1(113.97,83.15) ; v1(278.68,64.9) J2018.A31 276.4,64.9 v1(275.97,64.47) ; U1.U11 v1(119.97,118.15) ; v1(283.17,110.9) J2018.B77 v1(285.88,110.9) ; U1.AK55 v1(164.97,104.15) ; v1(26.12,41.1) 26.32,40.9 J1104.A74 28.4,40.9 v1(28.83,41.33) ; v1(116.97,129.15) U1.F8 v1(117.97,129.15) ; U1.T50 v1(159.97,118.15) ; U1.J53 v1(162.97,126.15) ; U2004.1 75.1,226.91 v1(75.08,226.92) C3231.1 74.45,226.9 U2004.2 ; U1.E41 v1(150.97,130.15) U1.E42 ; v1(283.17,86.9) J2018.B53 v1(285.88,86.9) ; v1(283.17,35.9) J2018.B4 v1(285.88,35.9) ; U1.W15 v1(123.97,116.15) ; U1.E23 v1(131.97,130.15) ; U1.W1 v1(110.04,115.65) ; v1(285.88,70.1) 285.68,69.9 J2018.B36 283.37,69.9 v1(283.17,70.1) ; U1.M43 v1(152.97,123.15) ; C10.2 v1(211.15,108) ; v1(275.97,91.9) J2018.A58 v1(278.68,91.9) ; K2.3 v1(10.61,215.27) ; v1(28.83,61.33) 28.4,60.9 J1104.A54 26.32,60.9 v1(26.12,61.1) ; U1.AJ53 v1(162.97,105.15) ; U1.J11 v1(119.97,126.15) ; C1746.2 v1(33.02,106.96) ; U1.BB49 v1(158.97,92.15) ; U1.G22 v1(130.97,128.15) ; U1.AM48 v1(157.97,102.15) ; U1.P43 v1(152.97,121.15) ; C1425.2 v1(224.56,107.8) ; U1.V8 v1(116.97,116.15) ; U1.AH56 v1(165.97,106.15) ; C12.2 v1(211.15,91.57) ; C562.2 v1(25.15,198.32) ; U1.AG56 v1(165.97,107.15) 166.64,107.15 ; U1.V7 v1(115.97,116.15) ; U1.AP45 v1(154.97,100.15) ; C3314.2 v1(287.86,37.06) ; v1(238.04,91.9) J2019.A58 v1(235.33,91.9) ; U1.BM47 v1(156.97,82.15) ; U1.AF7 v1(115.97,108.15) ; U1.BF10 v1(118.97,88.15) ; U1.AJ54 v1(163.97,105.15) ; v1(275.97,82.47) 276.4,82.9 J2018.A49 v1(278.68,82.9) ; U1.E17 v1(125.97,130.15) ; U1.BL7 v1(115.97,83.15) ; U1.L48 v1(157.97,124.15) ; U1.AU48 v1(157.97,97.15) ; U1.AV10 v1(118.97,96.15) ; C3155.2 v1(53.57,109.25) ; U1.BP49 v1(158.97,80.15) ; C1738.2 v1(249.58,43.26) ; U1.AA42 v1(150.97,114.15) ; U1.AN56 v1(165.97,101.15) ; U1.AY49 v1(158.97,94.15) ; U1.AV12 v1(120.97,96.15) ; U1.AH10 v1(118.97,107.15) ; U1.AV8 v1(116.97,96.15) ; v1(275.97,112.9) J2018.A79 v1(278.68,112.9) ; U1.AK51 v1(160.97,104.15) ; U1.AF45 v1(154.97,109.15) ; v1(242.53,60.1) 242.73,59.9 J2019.B26 245.04,59.9 v1(245.24,60.1) ; U1.BM11 v1(119.97,82.15) ; v1(245.24,85.9) J2019.B52 v1(242.53,85.9) ; U1.C53 v1(162.97,132.15) U1.C54 ; U1.AM8 v1(116.97,102.15) ; U1.BK47 v1(156.97,84.15) ; U1.AG49 v1(158.97,108.15) U1.AF49 ; U1.BA46 v1(155.97,93.15) ; U1.BA11 v1(119.97,93.15) ; U1.M47 v1(156.97,123.15) ; U1.D9 v1(117.97,130.15) ; C3150.2 v1(55.3,39.78) ; U1.N48 v1(157.97,122.15) ; v1(53.62,106.89) U57.2 v1(53.62,105.58) ; C1546.2 v1(55.45,66.6) ; U1.E6 v1(114.97,130.15) ; U1.BM48 v1(157.97,82.15) ; v1(283.17,80.9) J2018.B47 v1(285.88,80.9) ; v1(28.83,37.33) 28.4,36.9 J1104.A78 26.32,36.9 v1(26.12,37.1) ; U1.AC15 v1(123.97,112.15) ; U1.AK12 v1(120.97,104.15) ; v1(28.83,80.47) 28.4,80.9 J1104.A34 v1(26.12,80.9) ; U1.AE1 v1(110.04,109.65) ; U1.AR55 v1(164.97,99.15) ; U1.AB51 v1(160.97,112.15) ; v1(245.24,51.9) J2019.B18 v1(242.53,51.9) ; U1.AN3 v1(111.97,101.15) ; U1.AV43 v1(152.97,96.15) ; U4.2 132.64,47.62 ; v1(283.17,56.1) 283.37,55.9 J2018.B22 285.68,55.9 v1(285.88,56.1) ; C3153.2 v1(218.82,116.92) ; U1.BC13 v1(121.97,91.15) ; U1.K5 v1(113.97,125.15) ; C3175.2 v1(21.69,193.42) ; U1.R5 v1(113.97,120.15) ; U1.AA48 v1(157.97,114.15) U1.Y49 ; U1.AP10 v1(118.97,100.15) ; U1.BB1 v1(109.97,92.15) ; U1.N15 v1(123.97,122.15) ; U1.J43 v1(152.97,126.15) ; C40.2 v1(201.75,168.43) ; U1.BG45 v1(154.97,87.15) ; C77.2 v1(72.82,101.88) ; U1.BJ55 v1(164.97,85.15) ; 222.43,99.66 U62.2 v1(222.43,100.98) ; U1.AV1 v1(109.97,96.15) ; U1.Y4 v1(113.97,114.15) ; U1.K47 v1(156.97,125.15) ; U1.BK46 v1(155.97,84.15) ; U1.AG11 v1(119.97,108.15) ; U1.AP3 v1(111.97,100.15) ; U1.AY55 v1(164.97,94.15) ; U1.P54 v1(162.97,120.15) ; v1(245.24,82.9) J2019.B49 v1(242.53,82.9) ; U1.AV3 v1(111.97,96.15) ; v1(26.12,88.1) 26.32,87.9 J1104.A27 28.4,87.9 v1(28.83,88.33) ; v1(275.97,62.33) 276.4,61.9 J2018.A28 278.48,61.9 v1(278.68,62.1) ; U1.C49 v1(158.97,132.15) ; v1(238.04,58.1) 237.84,57.9 J2019.A24 235.76,57.9 v1(235.33,58.33) ; U1.AB12 v1(120.97,113.15) ; v1(21.63,57.7) 21.43,57.9 J1104.B57 19.12,57.9 v1(18.92,57.7) ; U1.AD54 v1(163.97,111.15) ; v1(49.05,227.08) C535.1 ; C535.1 v1(48.44,227.69) ; U1.BH10 v1(118.97,86.15) ; U1.AM1 v1(109.97,102.15) ; U1.AN52 v1(161.97,101.15) ; U1.BM56 v1(165.97,82.15) ; R55.1 v1(47.24,220.22) ; U1.W13 v1(121.97,116.15) ; U1.AC13 v1(121.97,112.15) ; v1(21.63,34.9) J1104.B80 v1(18.92,34.9) ; U1.P8 v1(116.97,121.15) ; U1.AM49 v1(158.97,102.15) ; U1.AV7 v1(115.97,96.15) ; C1.2 v1(211.15,43.89) ; v1(245.24,110.9) J2019.B77 v1(242.53,110.9) ; U1.K2 v1(111.97,125.15) ; U1.AH7 v1(115.97,106.15) ; C1185.2 v1(113.03,224.84) ; U1.BG9 v1(117.97,87.15) ; U1.AL11 v1(119.97,103.15) ; C1171.2 v1(118.85,222.61) ; U1.BD49 v1(158.97,90.15) ; U24.2 137.64,42.37 C3331.1 v1(137.01,42.34) 136.99,42.36 U24.1 ; U1.D43 v1(151.97,131.15) 151.47,130.65 U1.D42 ; U1.C7 v1(116.97,131.15) U1.D7 ; U1.BR53 v1(162.97,79.15) ; U1.C44 v1(153.97,132.15) ; C1399.2 v1(129.49,35.36) ; C70.2 v1(72.97,109.09) ; U1.AY5 v1(113.97,94.15) ; U1.AU56 v1(165.97,97.15) ; U1.AM53 v1(162.97,102.15) ; U1.BL56 v1(165.97,83.15) ; U1.AH52 v1(161.97,106.15) ; C2010.2 v1(279.86,217.98) ; U1.U6 v1(114.97,117.15) ; U1.Y14 v1(122.97,115.15) ; U64.1 54.54,102.05 ; v1(242.53,102.9) J2019.B69 v1(245.24,102.9) ; C1540.1 v1(50.37,105.89) ; U1.T9 v1(117.97,119.15) ; U1.BM9 v1(117.97,82.15) ; U1.BK4 v1(112.97,84.15) ; U1.AC50 v1(159.97,111.15) ; v1(275.97,49.33) 276.4,48.9 J2018.A15 v1(278.68,48.9) ; U1.R13 v1(121.97,120.15) ; U1.BD47 v1(156.97,90.15) ; v1(285.88,76.7) 285.68,76.9 J2018.B43 283.37,76.9 v1(283.17,76.7) ; U1.R15 v1(123.97,120.15) ; C1743.2 v1(29.16,105.99) ; C564.2 C549.2 v1(23.75,196.09) ; U1.BE3 v1(111.97,89.15) ; U1.AK9 v1(117.97,104.15) ; U1.AW15 v1(123.97,95.15) ; C3309.2 v1(291.08,43.26) ; U1.J36 v1(145.97,126.15) ; U1.AF55 v1(164.97,108.15) ; U1.AR2 v1(110.97,99.15) ; U1.AT45 v1(154.97,98.15) ; U1.B51 v1(160.97,132.15) U1.C52 v1(160.97,131.15) ; U1.AF12 v1(120.97,109.15) ; U1.AP8 v1(116.97,100.15) ; U1.AE49 v1(158.97,109.15) ; v1(26.12,72.7) 26.32,72.9 J1104.A42 28.4,72.9 v1(28.83,72.47) ; U1.A9 v1(118.47,134.07) ; U1.AC9 v1(117.97,112.15) ; U1.AJ7 v1(115.97,105.15) ; U1.AV56 v1(165.97,96.15) ; v1(18.92,37.7) 19.12,37.9 J1104.B77 21.43,37.9 v1(21.63,37.7) ; U1.BL48 v1(157.97,83.15) ; C575.1 v1(172.67,164.36) ; U1.AT47 v1(156.97,98.15) ; U1.AH48 v1(157.97,107.15) ; U1.AF54 v1(163.97,108.15) ; U1.BP5 v1(113.97,80.15) ; U1.U13 v1(121.97,118.15) ; v1(119.97,127.15) U1.H10 v1(118.97,127.15) ; U1.U51 v1(160.97,117.15) ; U1.P6 v1(115.97,121.15) ; U1.AF51 v1(160.97,108.15) ; U1.AY12 v1(120.97,94.15) ; U1.AK10 v1(118.97,104.15) ; v1(21.63,55.1) 21.43,54.9 J1104.B60 19.12,54.9 v1(18.92,55.1) ; U1.AL48 v1(157.97,103.15) ; v1(122.97,104.15) U1.AK14 U1.AJ15 ; U1.E35 v1(144.97,130.15) ; U1.AY10 v1(118.97,94.15) ; U1.T47 v1(156.97,119.15) ; C563.2 v1(26.01,198.32) ; U1.J40 v1(149.97,126.15) ; U1.L44 v1(153.97,124.15) ; U1.V14 v1(122.97,117.15) ; C41.2 v1(74.19,38.02) ; U1.AN9 v1(117.97,101.15) ; U1.BG56 v1(165.97,87.15) ; U1.C24 v1(132.97,132.15) ; C1745.2 v1(33.02,108.18) ; U1.U46 v1(155.97,118.15) ; 147.21,44.83 U26.1 147.21,45.96 147.29,46.05 C1207.1 v1(147.9,46.51) ; U1.P49 v1(158.97,121.15) ; U1.AP12 v1(120.97,100.15) ; U1.BN46 v1(155.97,81.15) ; U1.BE44 v1(153.97,89.15) ; C57.2 v1(64.95,101.88) ; U1.AV50 v1(159.97,96.15) ; C580.1 v1(122.4,150.85) ; U1.A4 v1(112.97,134.15) ; U1.BH11 v1(119.97,86.15) ; U1.BP7 v1(115.97,80.15) ; U1.M1 v1(110.04,122.65) ; v1(112.97,118.15) U1.T3 v1(111.97,118.15) U1.U2 ; U50.1 220.92,49.24 ; U1.AE9 v1(117.97,110.15) ; v1(18.92,67.9) J1104.B47 v1(21.63,67.9) ; U1.BP52 v1(161.97,80.15) ; U1.AG4 v1(112.97,107.15) ; C3146.1 v1(270.48,143.51) ; C3298.2 v1(235,42.8) ; U1.B54 v1(163.97,132.15) ; U1.BN1 v1(109.97,81.15) ; U1.G28 v1(136.97,128.15) ; v1(245.24,89.9) J2019.B56 v1(242.53,89.9) ; U1.BE15 v1(123.97,89.15) ; U1.AH1 v1(109.97,106.15) ; R2.2 v1(211.15,84.51) ; C579.1 v1(123.27,150.85) ; U1.AH47 v1(156.97,107.15) ; U1.BA7 v1(115.97,93.15) ; C1186.2 v1(112.37,223.8) ; U1.AE6 v1(114.97,109.15) ; U1.AB10 v1(118.97,113.15) ; U1.BL50 v1(159.97,83.15) ; U1.R46 v1(155.97,120.15) ; U1.BJ11 v1(119.97,85.15) ; v1(18.92,63.1) 19.12,62.9 J1104.B52 21.43,62.9 v1(21.63,63.1) ; U1.AP47 v1(156.97,100.15) ; v1(245.24,98.9) J2019.B65 v1(242.53,98.9) ; U1.BB9 v1(117.97,92.15) ; v1(28.83,84.33) 28.4,83.9 J1104.A31 v1(26.12,83.9) ; U1.AN1 v1(109.97,101.15) ; U1.BN56 v1(165.97,81.15) ; U1.AN15 v1(123.97,101.15) ; U1.AJ11 v1(119.97,105.15) ; U1.AP7 v1(115.97,100.15) ; U1.BK54 v1(163.97,84.15) ; U1.AE48 v1(157.97,110.15) ; U1.AF53 v1(162.97,108.15) ; U1.M4 v1(113.97,122.15) ; C550.2 v1(24.61,196.09) ; C76.2 v1(72.82,105.99) ; U1.A44 v1(153.47,134.07) ; U1.J46 v1(155.97,126.15) ; U1.BP11 v1(119.97,80.15) ; U1.F44 v1(152.97,129.15) ; U1.AA46 v1(155.97,114.15) ; U1.W9 v1(117.97,116.15) ; U1.V49 v1(158.97,116.15) ; U1.A13 v1(122.47,134.07) ; U1.H52 v1(160.97,127.15) ; U1.P45 v1(154.97,121.15) ; v1(285.88,54.7) 285.68,54.9 J2018.B21 283.37,54.9 v1(283.17,54.7) ; U1.BP3 v1(111.97,80.15) ; U1.BB14 v1(122.97,92.15) ; U1.AB47 v1(156.97,113.15) ; U1.T48 v1(157.97,119.15) ; U1.G45 v1(153.97,128.15) ; U1.W11 v1(119.97,116.15) ; C32.2 v1(202.97,91.57) ; U1.G46 v1(154.97,128.15) ; U1.J13 v1(121.97,126.15) ; U1.BK49 v1(158.97,84.15) ; U1.F49 v1(158.97,129.15) ; U1.BM1 v1(109.97,82.15) ; U1.M12 v1(120.97,123.15) ; U1.U15 v1(123.97,118.15) ; R2181.2 v1(215.01,191.24) ; U1.K45 v1(154.97,125.15) ; U1.AW44 v1(153.97,95.15) ; U813.4 v1(259.32,139.7) ; v1(285.88,82.9) J2018.B49 v1(283.17,82.9) ; U1.BD8 v1(116.97,90.15) ; C1535.2 v1(57.23,110.92) ; U1.AF3 v1(111.97,108.15) ; U1.T7 v1(115.97,118.15) ; U1.AL44 v1(153.97,103.15) ; C28.2 v1(202.97,113.28) ; U1.AH43 v1(152.97,107.15) ; C3307.2 v1(30.91,111.76) ; v1(26.12,47.7) 26.32,47.9 J1104.A67 28.4,47.9 v1(28.83,47.47) ; U1.U42 v1(151.97,118.15) ; U1.E46 v1(154.97,130.15) ; U1.BP54 v1(163.97,80.15) ; U1.AH14 v1(122.97,107.15) ; U1.BD10 v1(118.97,90.15) ; U1.AW46 v1(155.97,95.15) ; U1.BT55 v1(164.97,78.15) ; U1.BL3 v1(111.97,83.15) ; U1.AU1 v1(109.97,97.15) ; U1.E32 v1(141.97,130.15) ; U1.BL11 v1(119.97,83.15) ; U1.M10 v1(118.97,123.15) ; U1.F1 v1(110.04,128.65) ; U1.BE46 v1(155.97,89.15) ; U1.W7 v1(115.97,115.15) ; U1.AN50 v1(159.97,101.15) ; U1.AE46 v1(155.97,110.15) ; U1.BM51 v1(160.97,82.15) ; U1.AF2 v1(110.97,108.15) ; U1.AD9 v1(117.97,111.15) ; U1.AU42 v1(151.97,97.15) ; U1.AK6 v1(114.97,104.15) ; U1.AP43 v1(152.97,100.15) ; R2180.2 v1(260.96,145.44) ; U1.AT43 v1(152.97,98.15) ; U1.T14 v1(122.97,119.15) ; U1.AP53 v1(162.97,100.15) ; C1528.2 v1(51.84,96.62) ; U1.AT7 v1(115.97,98.15) ; C51.2 v1(64.8,95.48) ; U1.AM51 v1(160.97,102.15) ; U1.BT51 v1(160.97,78.15) ; U1.AD14 v1(122.97,111.15) ; U1.AF6 v1(114.97,108.15) ; C80.2 v1(64.34,175.84) ; U1.BR9 v1(117.97,79.15) ; C1805.2 v1(247.22,37.06) ; U1.BG48 v1(157.97,87.15) ; U1.Y10 v1(118.97,115.15) ; U1.J4 v1(112.97,126.15) ; U1.AD56 v1(165.9,110.65) ; U1.F13 v1(122.97,129.15) ; TP8.1 v1(136.25,162.59) ; U1.AG44 v1(153.97,108.15) ; U1.AA13 v1(121.97,114.15) ; U1.R56 v1(165.9,119.65) ; U1.AD43 v1(152.97,111.15) ; U1.AG46 v1(155.97,108.15) ; C3145.1 v1(270.48,151.33) ; U1.P14 v1(122.97,121.15) ; U1.AB6 v1(114.97,112.15) ; U1.AC44 v1(153.97,112.15) ; U1.AU9 v1(117.97,97.15) ; U1.Y53 v1(161.97,114.15) ; R644.2 223.44,97.16 ; U1.AF56 v1(165.97,108.15) ; U1.E38 v1(147.97,130.15) ; R6.2 v1(202.97,84.51) ; U1.AW54 v1(163.97,95.15) ; U1.BE48 v1(157.97,89.15) ; C61.2 v1(64.95,38.02) ; U1.BJ51 v1(160.97,85.15) ; U1.AC8 v1(116.97,111.15) ; U1.AT14 v1(122.97,98.15) ; U1.C13 v1(121.97,132.15) ; U1.M45 v1(154.97,123.15)